# Altium PCB main.PcbDoc (part 2 of 3)
Units mil, origin at the board's own origin, x right, y up, seen from the top; angles counter-clockwise.
Board outline 4925 x 4925 mil, 2 copper layers (Top Layer, Bottom Layer); 278 components, 209 nets, 834 pads, 219 vias.
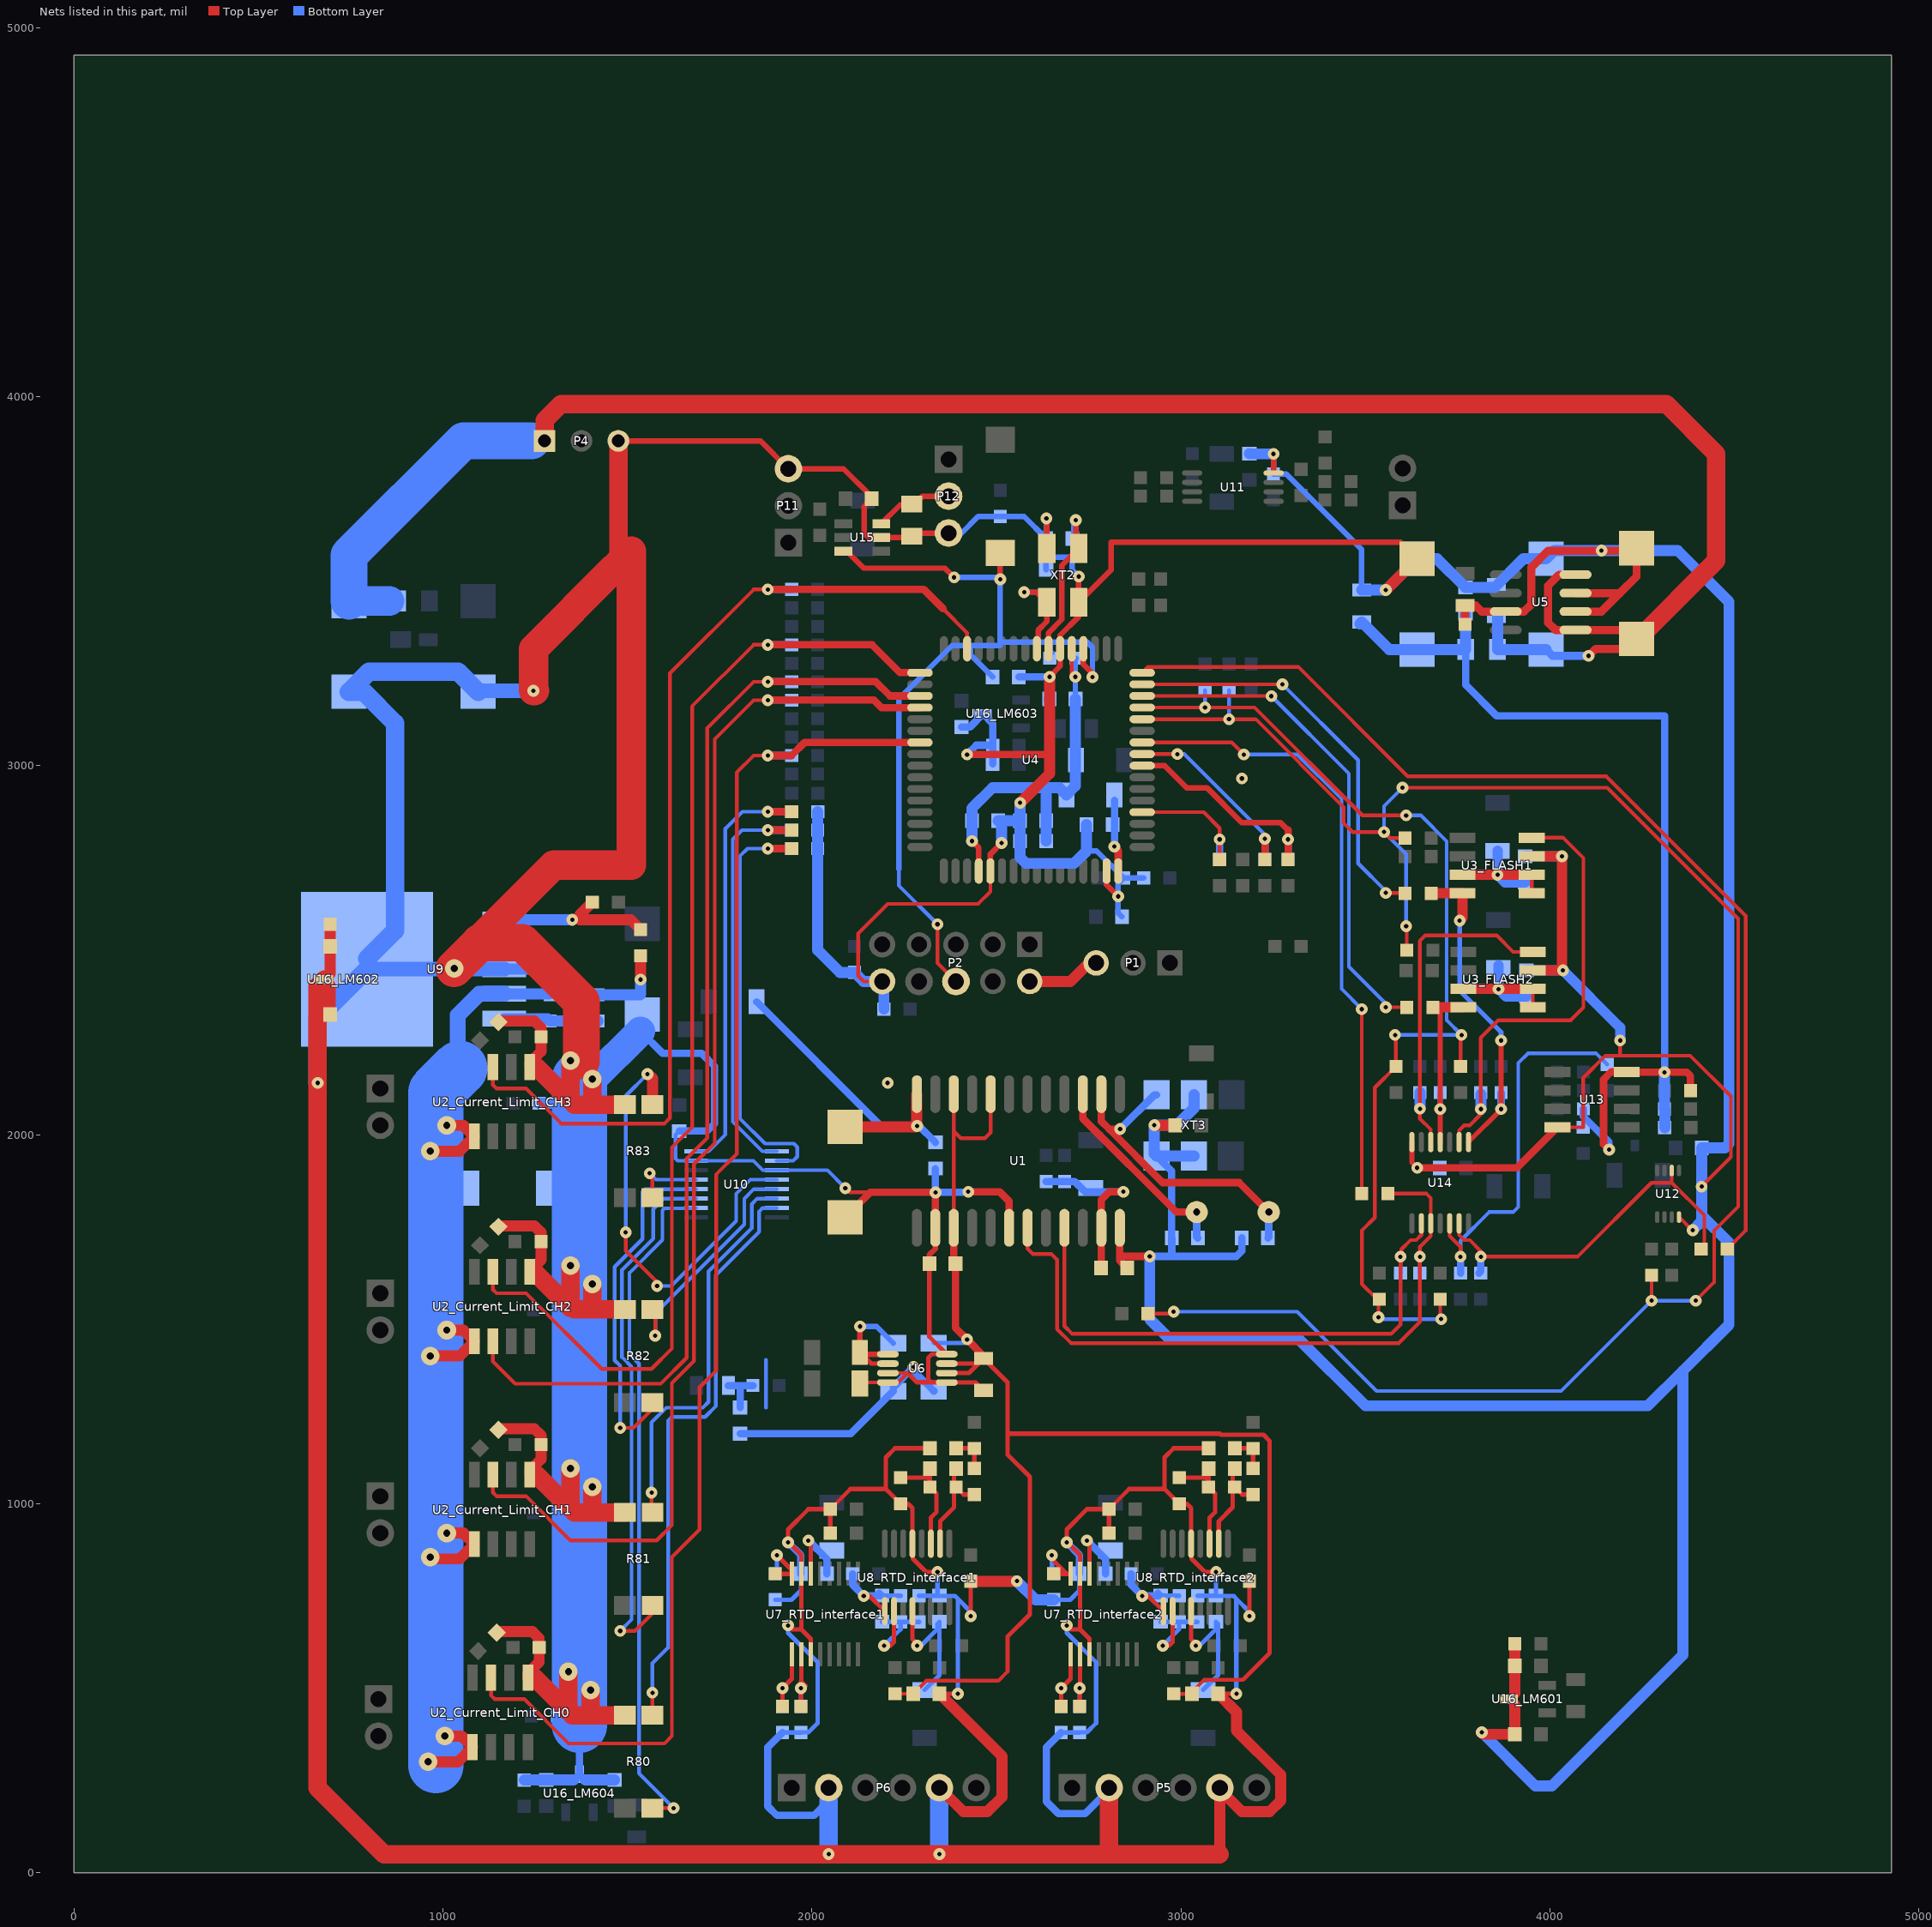
[diagram p2: the nets of this part, all layers, seen from the top]

## Via types
v1: diameter 32, hole 11.81, Top Layer to Bottom Layer, 202 vias
v2: diameter 50, hole 19.68, Top Layer to Bottom Layer, 17 vias

## Nets (pads, with @x,y where several pads share a name; then routed paths per layer and width w, separated by ;. In a path a pad name is that pad's centre, name@x,y a point inside that pad or via, vN(x,y) a via of type N, cw(c..) or ccw(c..) an arc to the next point about the centre after c; other vN are vias at no path point)
2.5V-REF_RTD_interface1: C3.2 C26.2 C30_RTD_interface1.1 C30_RTD_interface2.1 R47.2 R56_RTD_interface1.2 R56_RTD_interface2.2 U1.8 U1.10 U1.15 U6.6 U6.7 | length 4093.5
  Top Layer w10: R56_RTD_interface1.2@2225,484.57 2225.44,485 C30_RTD_interface1.1@2274.57,485 2309.57,520 2505,520 2530,545 ; U1.15@2383.98,1747.36 2383.39,1747.96 2383.98,1748.55 2383.98,2009.41 ; U1.10@2383.98,2109.57 2383.98,2009.41 ; U1.8@2483.98,2109.57 2483.98,2005.59 2468.39,1990 2403.39,1990 2383.98,2009.41 ; R56_RTD_interface2.2@2980,484.57 C30_RTD_interface2.1@3029.57,484.57 ; C30_RTD_interface2.1@3029.57,485 3029.57,489.57 3062.28,522.28 3167.44,522.28 3170,524.84
  Top Layer w12: U6.6@2365,1353.82 2425.51,1353.82 2451.1,1379.41 U6.7@2365,1379.41 ; R47.2@2465,1393.31 2530,1328.31 2530,1195 ; 2530,545 2530,640 2590,700 2590,1072.48 2530,1132.48 2530,1195 ; 3170,524.84 3240,594.84 3240,1170 3223.28,1186.72 3108.28,1186.72 3105.28,1189.72 2535.28,1189.72 2530,1195
  Top Layer w20: C3.2@2383.98,1658.9 U1.15@2383.98,1747.36 ; C3.2@2388.82,1650 2388.82,1476.18 v1(2420,1445) 2465,1400 R47.2@2465,1393.31
  Bottom Layer w12: C26.2@2330,1434.96 2409.96,1434.96 v1(2420,1445)
3V3-ADC: C7.2 R44.2 R121.1 R122.1 U1.23 | length 474.4
  Top Layer w20: C7.2@2783.55,1638.46 2783.55,1823.55 2805,1845 v1(2843.37,1845)
  Bottom Layer w20: R121.1@2634.41,1873.03 R122.1@2684.41,1873.03 2712.01,1873.03 2740.04,1845 v1(2843.37,1845)
3V3-AT: C11.2 C12.2 C13.2 C14.2 R31.2 R46.2 R125.2 U4.21 U4.52 | length 1057
  Top Layer w10: U4.21@2703.77,3316.61 2703.77,3245.19 v1@2713.53,3235.43
  Top Layer w15: v1(2433.53,2795.43) 2451.8,2777.16 U4.52@2451.8,2714.25
  Bottom Layer w15: v1@2433.1,2795.86 v1(2433.53,2795.43) ; C11.2@2713.53,3180.86 v1(2713.53,3240.43) 2713.53,3289.11 R31.2@2715.43,3291.02
  Bottom Layer w30: v1@2433.1,2795.86 C12.2@2433.1,2850.43 2433.1,2884.13 2488.97,2940 2669.87,2940 R125.2@2689.44,2920.43 2713.53,2944.52 2713.53,3125 ; C13.2@2634.83,2795.43 C14.2@2634.83,2850.43 2634.83,2920 ; C11.2@2713.53,3180.86 2713.53,3125 ; 2713.97,3124.57 2713.53,3125
3V3-AVCC: C46.2 R125.1 U4.64 | length 195.4
  Top Layer w20: v1(2819.4,2780.43) 2829.75,2770.08 U4.64@2829.75,2714.25
  Bottom Layer w20: v1(2819.4,2780.43) R125.1@2819.4,2905.39
5V: C16.1 C18.1 C21.1 L1.1 L2.1 P4.1 R35.2 U5.5 U5.8 | length 5635.9
  Top Layer w22: U5.8@4069.05,3517.4 4024.57,3517.4 3994.57,3487.4 3994.57,3387.4 4014.57,3367.4 U5.5@4069.05,3367.4 C21.1@4187.52,3367.4 ; v1(4104.57,3297.4) 4123.42,3316.26 4207.4,3316.26 C21.1@4234.57,3343.42
  Top Layer w50: P4.1@1275,3880 1275,3935 1320,3980 4315,3980 4450,3845 4450,3555 4238.42,3343.42 C21.1@4234.57,3343.42
  Bottom Layer w22: C18.1@3989.57,3314.57 4006.73,3297.4 v1(4104.57,3297.4)
  Bottom Layer w30: R35.2@3857.87,3404.09 L2.1@3857.87,3314.57 C18.1@3989.57,3314.57
  Bottom Layer w80: C16.1@745,3445.67 L1.1@855,3445.67
  Bottom Layer w100: C16.1@745,3445.67 745,3570 1055,3880 1240,3880
5V-ADC: C5.1 C6.2 R43.2 U1.12 | length 923.6
  Top Layer w30: C5.1@2089.41,2021.3 2281.38,2021.3 2283.98,2023.9 U1.12@2283.98,2109.57
  Bottom Layer w20: R43.2@1849.96,2360 2186.5,2023.46 v1(2284.41,2023.46) 2289.85,2023.46 C6.2@2334.41,1978.9
5V-DIG: C19.1 C20.2 L2.2 R34.2 R88.2 R89.2 R90.2 R91.2 R92.2 U13.8 | length 2826.2
  Top Layer w20: v1(4160,1959.57) 4145,1974.57 4145,2149.57 4165,2169.57 U13.8@4208.19,2169.57 4208.78,2168.98 v1(4310.28,2168.98) 4370.28,2168.98 4380.71,2158.54 R91.2@4380.71,2118.98
  Bottom Layer w20: L2.2@3771.26,3314.57 3771.26,3218.74 3855.28,3134.72 4310.28,3134.72 v1(4310.28,2168.98) ; R92.2@4090.43,2069.57 4090.43,2049.14 4160,1979.57 v1(4160,1959.57)
  Bottom Layer w30: R34.2@3484.57,3384.09 R34.2@3489.57,3389.09 3564.09,3314.57 C19.1@3639.57,3314.57 L2.2@3771.26,3314.57 C20.2@3771.26,3411.97 ; v1(4310.28,2168.98) 4309.84,2168.54 R89.2@4309.84,2068.98 4310.9,2067.92 R88.2@4310.9,2018.97
A0: R67.1 R70.1 U10.1 | length 1152
  Top Layer w20: v1(1879.99,2825) R67.1@1944.56,2825
  Bottom Layer w10: v1(1879.99,2825) 1810,2825 1785,2800 1785,2035 1865.43,1954.57 U10.1@1904.25,1954.57
  Bottom Layer w20: v1(1879.99,2825) R70.1@1944.56,2825
A0_RTD_interface1: R58_RTD_interface1.1 R64_RTD_interface1.1 U7_RTD_interface1.1 | length 201.2
  Top Layer w12: R58_RTD_interface1.1@1920,450.43 1920.39,450.84 1920,451.23 v1(1920,500) 1945.39,525.4 U7_RTD_interface1.1@1945.39,591.18
  Bottom Layer w12: R64_RTD_interface1.1@1920,450.43 v1(1920,500)
A0_RTD_interface2: R58_RTD_interface2.1 R64_RTD_interface2.1 U7_RTD_interface2.1 | length 201.2
  Top Layer w12: R58_RTD_interface2.1@2674.99,450.44 2675.39,450.84 2675,451.23 v1(2675,500) 2700.39,525.4 U7_RTD_interface2.1@2700.39,591.18
  Bottom Layer w12: R64_RTD_interface2.1@2675,450.44 v1(2675,500)
A1: R68.1 R71.1 U10.16 | length 1190.2
  Top Layer w20: v1(1880,2875) R68.1@1944.56,2875
  Bottom Layer w10: U10.16@1685.75,1954.57 1719.57,1954.57 1765,2000 1765,2828.93 1811.07,2875 v1(1880,2875)
  Bottom Layer w20: v1(1880,2875) R71.1@1944.56,2875
A1_RTD_interface1: R59_RTD_interface1.1 R65_RTD_interface1.1 U7_RTD_interface1.16 | length 168.5
  Top Layer w12: R59_RTD_interface1.1@1900,810.43 1900.75,809.69 U7_RTD_interface1.16@1945.39,809.69 1945.39,819.61 v1(1905,860)
  Bottom Layer w12: R65_RTD_interface1.1@1900,810.43 1895,815.44 1905,825.44 v1(1905,860)
A1_RTD_interface2: R59_RTD_interface2.1 R65_RTD_interface2.1 U7_RTD_interface2.16 | length 164.4
  Top Layer w12: v1(2650,860) 2650,850 2690.31,809.69 ; R59_RTD_interface2.1@2655,810.43 2655.75,809.69 2690.31,809.69 ; U7_RTD_interface2.16@2700.39,809.69 2690.31,809.69
  Bottom Layer w12: v1(2650,860) 2650,815.44 R65_RTD_interface2.1@2655,810.44
ADC_RST: R15.1 R19.1 U4.9 | length 529.1
  Top Layer w10: U4.9@2894.71,3031.18 v1(2990,3031.18)
  Top Layer w20: R19.1@3227.3,2741.49 v1@3227.3,2791.05
  Bottom Layer w10: v1(2990,3031.18) 3008.82,3031.18 v1@3227.3,2812.7
  Bottom Layer w20: R15.1@3227.29,2745.43 v1(3227.29,2801.87)
AN: R80.2 U10.7 | length 1589.5
  Top Layer w10: R80.2@1567.4,426.14 v1(1567.4,487.6)
  Bottom Layer w10: v1(1567.4,487.6) 1567.4,567.4 1610,610 1610,1225 1620,1235 1710,1235 1739.41,1264.41 1739.41,1619.41 1856.77,1736.77 1856.77,1791.77 1866.02,1801.02 U10.7@1904.25,1801.02
AP: R80.3 U10.10 | length 1857.2
  Top Layer w10: R80.3@1568.23,175 v1(1625,175)
  Bottom Layer w10: v1(1625,175) 1531,269 1531,1379 1505,1405 1505,1625 1594.69,1714.69 1594.69,1795 1599.69,1800 1684.72,1800 U10.10@1685.75,1801.02
AT_NRST: C10.2 P2.6 R31.1 S1.2 U4.20 U15.6 | length 2443.2
  Top Layer w10: v1(2340,2570) 2340,2465 P2.6@2390,2415
  Top Layer w15: U15.6@2084.79,3580.88 2094.12,3580.88 2140,3535 2360,3535 v1(2385,3510) ; v1(2510,3505) S1.2@2510,3576.46 ; U4.20@2735.26,3316.61 2735.26,3274.74 2760,3250 v1(2760,3240)
  Bottom Layer w10: 2235,2720 2235,2675 v1(2340,2570)
  Bottom Layer w15: 2235,2720 2235,3180.37 2379.63,3325 2430,3325 ; v1(2385,3510) 2505,3510 v1(2510,3505) 2510,3335 2640.78,3335 2745,3335 2760,3320 v1(2760,3240) ; C10.2@2489.57,3240 2430,3299.57 2430,3325 ; 2510,3325 2430,3325 ; R31.1@2644.57,3291.02 R31.1@2644.57,3300 ; 2644.57,3331.21 R31.1@2644.57,3300 ; R31.1@2650,3305.43 R31.1@2644.57,3300
BN: R81.2 U10.6 | length 1076.9
  Top Layer w10: R81.2@1565,978.98 v1(1565,1030)
  Bottom Layer w10: v1(1565,1030) 1565,1220 1605,1260 1703.82,1260 1719.41,1275.59 1719.41,1629.41 1836.77,1746.77 1836.77,1811.77 1851.61,1826.61 U10.6@1904.25,1826.61
BP: R81.3 U10.11 | length 1458.8
  Top Layer w10: v1(1480,655) 1520,655 1567.83,702.83 R81.3@1567.83,724.17
  Bottom Layer w10: v1(1480,655) 1511,686 1511,1370.72 1485,1396.72 1485,1633.28 1569.8,1718.09 1569.8,1798.4 1598.02,1826.61 U10.11@1685.75,1826.61
BUFFER: R13.1 R21.1 U4.4 | length 367.3
  Top Layer w10: U4.4@2894.71,2873.7 3061.3,2873.7 3104.57,2830.43 v1(3104.57,2800) R21.1@3104.57,2745.44
  Bottom Layer w20: R13.1@3104.58,2745.44 v1(3104.57,2800)
CH2_PGOOD: R132.1 U2_Current_Limit_CH2.2 U4.35 | length 3072.7
  Top Layer w10: U2_Current_Limit_CH2.2@1135,1440.16 1135,1385.16 1195.16,1325 1590,1325 1660,1395 1660,1935 1716.07,1991.07 1716.07,3101.64 1841.7,3227.27 v1(1879.99,3227.27)
  Top Layer w20: v1(1879.99,3227.27) 2172.73,3227.27 2211.34,3188.66 U4.35@2292.35,3188.66
  Bottom Layer w20: v1(1879.99,3227.27) R132.1@1944.55,3227.27
CN: R82.2 U10.5 | length 647.9
  Top Layer w10: R82.2@1570,1528.74 R82.2@1567.4,1526.14 1575,1518.54 v1(1575,1455)
  Bottom Layer w10: v1(1575,1455) 1575,1515 1816.53,1756.53 1816.53,1826.53 1842.2,1852.2 U10.5@1904.25,1852.2
CP: R82.3 U10.12 | length 951
  Top Layer w10: v1(1480,1205) 1516,1205 1564.69,1253.69 R82.3@1564.69,1274.17
  Bottom Layer w10: v1(1480,1205) 1480,1373.43 1465,1388.43 1465,1641.57 1540.59,1717.16 1540.59,1845 1547.8,1852.2 U10.12@1685.75,1852.2
CS_ADC: R7.2 U4.10 | length 1696.5
  Top Layer w10: U4.10@2894.71,3062.67 3137.33,3062.67 v1(3170,3030) ; R7.2@3489.57,1840 3489.57,2339.57 v1(3490,2340)
  Bottom Layer w10: v1(3170,3030) 3315,3030 3435,2910 3435,2395 v1(3490,2340)
CS_ADC_I: R7.1 R29.1 U1.19 U14.10 | length 1873.7
  Top Layer w10: U1.19@2583.98,1747.36 2583.98,1691.02 2598.5,1676.5 2648.5,1676.5 2663.98,1661.02 2663.98,1472.74 2701.72,1435 3590,1435 3647.37,1492.37 v1(3647.37,1669.21) 3647.37,1695.92 3676.77,1725.33 U14.10@3676.77,1759.41 3676.77,1828.23 3665,1840 R7.1@3560.43,1840
  Bottom Layer w10: R29.1@3647.37,1624.64 v1(3647.37,1669.21)
CS_FLASH_A: R9.2 U4.14 | length 1379.2
  Top Layer w10: U4.14@2894.71,3188.66 3244.5,3188.66 v1(3245,3188.16) ; v1(3555,2345) 3611.34,2345 R9.2@3611.93,2344.41
  Bottom Layer w10: v1(3245,3188.16) 3455,2978.16 3455,2455 3555,2355 v1(3555,2345)
CS_FLASH_A_I: R9.1 R27.1 U3_FLASH2.4 U14.4 | length 487.8
  Top Layer w13: R9.1@3691.61,2345 3702.36,2334.25 v1(3702.36,2069.21) U14.4@3702.36,1979.88
  Top Layer w28: R9.1@3691.61,2345 U3_FLASH2.4@3765.31,2345
  Bottom Layer w13: v1(3702.36,2069.21) R27.1@3702.37,2113.77
CS_FLASH_B: R10.2 U4.15 | length 1114.1
  Top Layer w10: U4.15@2894.71,3220.15 3274.85,3220.15 v1(3275,3220) ; v1(3555,2655) 3606.06,2655 R10.2@3607.24,2653.82
  Bottom Layer w10: v1(3275,3220) 3480,3015 3480,2735 3555,2660 v1(3555,2655)
CS_FLASH_B_I: R10.1 R26.1 U3_FLASH1.4 U14.1 | length 879.5
  Top Layer w13: U14.1@3779.13,1979.88 v1@3867.91,2068.66 ; v1(3867.37,2069.21) v1(3867.37,2255)
  Top Layer w28: R10.1@3688.11,2653.82 3688.7,2654.41 U3_FLASH1.4@3762.4,2654.41 3762.4,2587.4 v1(3755,2580)
  Bottom Layer w13: v1(3755,2580) 3755,2390 3867.37,2277.63 v1(3867.37,2255)
  Bottom Layer w20: v1(3867.37,2069.21) R26.1@3867.37,2113.77
CS_FRAM: R8.2 U4.16 | length 2844.9
  Top Layer w10: U4.16@2894.71,3251.65 2910.54,3267.47 3317.53,3267.47 3614,2971 4152.28,2971 4530,2593.28 4530,1739.57 R8.2@4480.43,1690
CS_FRAM_I: R8.1 R28.1 U12.6 U14.13 | length 1021.1
  Top Layer w10: U14.13@3753.54,1759.41 3753.54,1728.02 3767.36,1714.21 3782.36,1714.21 3812.37,1684.2 v1(3812.37,1669.21) 4074.21,1669.21 4274.41,1869.41 4329.84,1869.41 ; U12.6@4329.84,1902.56 4329.84,1869.41 ; R8.1@4415,1689.57 4417.97,1692.54 4417.97,1781.28 4329.84,1869.41
  Bottom Layer w20: R28.1@3807.36,1624.65 3809.86,1627.15 3812.37,1629.66 v1(3812.37,1669.21)
DN: R83.2 U10.4 | length 1238.4
  Top Layer w10: v1(1495,1735) 1495,1685 1580,1600 v1(1580,1590) ; R83.2@1580,2093.58 R83.2@1575,2088.58 ; R83.2@1575,2085 1579.02,2080.98 1575,2080.98 R83.2@1575,2085 ; R83.2@1575,2085 R83.2@1575,2088.58 ; R83.2@1575,2085 1573.21,2086.79 R83.2@1575,2088.58
  Top Layer w30: v1@1555,2165 1567.4,2152.6 R83.2@1567.4,2080.98
  Bottom Layer w10: v1(1495,1735) 1495,2105 v1(1553.8,2163.8) ; v1(1580,1590) 1618.43,1590 1794.45,1766.03 1794.45,1839.45 1832.79,1877.79 U10.4@1904.25,1877.79
DP: R83.3 U10.13 | length 201.9
  Top Layer w10: v1(1560,1895) 1567.4,1887.6 R83.3@1567.4,1829.02
  Bottom Layer w10: v1(1560,1895) 1577.21,1877.79 U10.13@1685.75,1877.79
DRDY: R16.1 R17.1 U4.8 | length 601.8
  Top Layer w15: U4.8@2894.71,2999.68 2955.32,2999.68 3015,2940 3070,2940 3165,2845 3270,2845 3290,2825
  Top Layer w20: R17.1@3290,2745.43 v1(3290,2800) 3290,2825
  Bottom Layer w20: R16.1@3290,2745.44 v1(3290,2800)
EN: R69.1 R72.1 U10.2 | length 1197.5
  Top Layer w20: v1(1879.99,2775) R69.1@1944.55,2775
  Bottom Layer w10: v1(1879.99,2775) 1825,2775 1805,2755 1805,2043.28 1872.81,1975.47 1950.6,1975.47 1960,1966.07 1960,1940 1948.98,1928.98 U10.2@1904.25,1928.98
  Bottom Layer w20: v1(1879.99,2775) R72.1@1944.55,2775.01
EN_RTD_interface1: R60_RTD_interface1.1 R66_RTD_interface1.1 U7_RTD_interface1.2 | length 215.6
  Top Layer w12: R60_RTD_interface1.1@1970,458.5 R60_RTD_interface1.1@1970,450.43 v1(1970,500) 1970,518.5 ; U7_RTD_interface1.2@1970.98,591.18 1970.98,517.51 v1@1982.5,505.99
  Bottom Layer w12: R66_RTD_interface1.1@1970,450.43 v1(1970,500)
EN_RTD_interface2: R60_RTD_interface2.1 R66_RTD_interface2.1 U7_RTD_interface2.2 | length 198.4
  Top Layer w12: R60_RTD_interface2.1@2725,458.5 R60_RTD_interface2.1@2725,450.44 v1(2725,500) ; v1@2725.98,500 U7_RTD_interface2.2@2725.98,591.18
  Bottom Layer w12: R66_RTD_interface2.1@2725,450.44 v1(2725,500)
FLAGB_Current_Limit_CH0: R4.1 U2_Current_Limit_CH0.7 U4.39 | length 3879.1
  Top Layer w10: U2_Current_Limit_CH0.7@1130,528.35 1130,480.16 1140,470.16 1220,470.16 1340,350.16 1600,350.16 1620,370.16 1620,855 1695,930 1695,1315 1740,1360 1740,1891.8 1796.07,1947.87 1796.07,2981.64 1841.71,3027.28 v1(1879.99,3027.28)
  Top Layer w20: v1(1879.99,3027.28) 1944.56,3027.28 1979.96,3062.67 U4.39@2292.35,3062.67
  Bottom Layer w20: v1(1879.99,3027.28) R4.1@1944.56,3027.28
FLAGB_Current_Limit_CH1: R128.1 U2_Current_Limit_CH1.7 U4.36 | length 3455.3
  Top Layer w10: U2_Current_Limit_CH1.7@1135,1078.35 1135,1030.16 1145,1020.16 1225,1020.16 1345,900.16 1578.59,900.16 1620,941.57 1620,1326.72 1680,1386.72 1680,1920.51 1736.07,1976.58 1736.07,3071.64 1841.7,3177.27 v1(1879.99,3177.27)
  Top Layer w20: v1(1879.99,3177.27) 2167.73,3177.27 2187.84,3157.16 U4.36@2292.35,3157.16
  Bottom Layer w20: v1(1879.99,3177.27) R128.1@1944.55,3177.27
FLAGB_Current_Limit_CH2: R131.1 U2_Current_Limit_CH2.7 U4.33 | length 3190.7
  Top Layer w10: U2_Current_Limit_CH2.7@1135,1628.35 1135,1580.16 1145,1570.16 1225,1570.16 1430.16,1365 1565,1365 1620,1420 1620,1965 1675,2020 1675,3160.57 1841.7,3327.27 v1(1879.99,3327.27)
  Top Layer w20: v1(1879.99,3327.27) 2162.73,3327.27 2238.35,3251.65 U4.33@2292.35,3251.65
  Bottom Layer w20: v1(1879.99,3327.27) R131.1@1944.55,3327.27
FLAGB_Current_Limit_CH3: R134.1 U2_Current_Limit_CH3.7 U4.30 | length 2838.9
  Top Layer w10: U2_Current_Limit_CH3.7@1135,2183.19 1135,2135 1145,2125 1225,2125 1320,2030 1600,2030 1615,2045 1615,3250.57 1841.7,3477.27 v1(1879.99,3477.27) ; 2354.83,3425 2420.3,3359.52 U4.30@2420.3,3316.61
  Top Layer w20: v1(1879.99,3477.27) 2302.55,3477.27 2354.83,3425
  Bottom Layer w20: v1(1879.99,3477.27) R134.1@1944.55,3477.27
GROUND4: C1.1 C2.1 C3.1 C5.2 C6.1 C7.1 C8.1 C9.1 C10.1 C11.1 C12.1 C13.1 C14.1 C15.1 C16.2 C17.2 C18.2 C19.2 C20.1 C21.2 C22.2 C23_FLASH1.1 C23_FLASH2.1 C24.1 C25.1 C26.1 C29_RTD_interface1.1 C29_RTD_interface2.1 C30_RTD_interface1.2 C30_RTD_interface2.2 C31.2 C32.2 C33.1 C34.1 C35.1 C36_RTD_interface1.1 C36_RTD_interface2.1 C37_RTD_interface1.1 C37_RTD_interface2.1 C38.1 C39.1 C40.1 C41.2 C42.1 C43_LM601.1 C43_LM602.1 C43_LM603.1 C43_LM604.1 C44_LM601.1 C44_LM602.1 C44_LM603.1 C44_LM604.1 C45.1 C46.1 C47.2 P1.3 P2.2 P2.10 P4.3 P5.2 P5.5 P6.2 P6.5 P11.3 P12.3 R1_Current_Limit_CH0.2 R1_Current_Limit_CH1.2 R1_Current_Limit_CH2.2 R1_Current_Limit_CH3.2 R2_Current_Limit_CH0.1 R2_Current_Limit_CH1.1 R2_Current_Limit_CH2.1 R2_Current_Limit_CH3.1 R3_Current_Limit_CH0.2 R3_Current_Limit_CH1.2 R3_Current_Limit_CH2.2 R3_Current_Limit_CH3.2 R30.1 R32.2 R33.1 R34.1 R35.1 R36.1 R37.1 R47.1 R48_RTD_interface1.2 R48_RTD_interface2.2 R51_RTD_interface1.1 R51_RTD_interface2.1 R61_RTD_interface1.2 R61_RTD_interface2.2 R62_RTD_interface1.2 R62_RTD_interface2.2 R63_RTD_interface1.2 R63_RTD_interface2.2 R64_RTD_interface1.2 R64_RTD_interface2.2 R65_RTD_interface1.2 R65_RTD_interface2.2 R66_RTD_interface1.2 R66_RTD_interface2.2 R70.2 R71.2 R72.2 R74.2 R77.2 R80.1 R81.1 R82.1 R83.1 R87.1 R124_LM601.1 R124_LM602.1 R124_LM603.1 R124_LM604.1 R126.1 R137.1 R138.1 U1.14 U1.18 U1.24 U2_Current_Limit_CH0.5 U2_Current_Limit_CH1.5 U2_Current_Limit_CH2.5 U2_Current_Limit_CH3.5 U3_FLASH1.7 U3_FLASH2.7 U4.22 U4.53 U4.63 U5.3 U5.6 U5.7 U6.3 U6.4 U6.5 U6.8 U7_RTD_interface1.3 U7_RTD_interface1.15 U7_RTD_interface2.3 U7_RTD_interface2.15 U8_RTD_interface1.13 U8_RTD_interface2.13 U9.3 U9.6 U10.3 U10.15 U11.4 U12.4 U13.4 U14.7 U15.2 U16_LM601.3 U16_LM602.3 U16_LM603.3 U16_LM604.3 XT2.3 XT2.4 XT3.2 XT3.3 XT3.5 | length 46422.4
  Top Layer w10: v1(2090,1855) 2101.54,1843.46 2157.25,1843.46 ; C25.1@2129.96,1325 2133.19,1328.23 U6.4@2205.55,1328.23 2233.23,1328.23 2258.82,1353.82 ; P2.10@2190,2415 2140,2415 2125,2430 2125,2545 2205,2625 2450,2625 2483.3,2658.3 U4.53@2483.3,2714.25 ; U6.3@2205.55,1353.82 2258.82,1353.82 ; v1(2275,1370) 2258.82,1353.82 ; U13.4@4020,2019.57 4089.57,2019.57 4090,2020 4090,2153.98 4150,2213.98 4190,2213.98 ; v1(4190,2255) 4190,2213.98 ; U12.4@4350.55,1775.55 4385,1741.1 v1(4386.97,1741.1) ; v1@4410.35,1859.33 4490,1938.98 4490,2103.98 4380,2213.98 4190,2213.98
  Top Layer w12: v1(1935,670) 1945.98,659.02 1970.98,659.02 ; U7_RTD_interface1.3@1996.57,591.18 1996.57,633.43 1970.98,659.02 ; R61_RTD_interface1.2@2049.57,920 R62_RTD_interface1.2@2049.57,985 ; 2258.82,1353.82 2283.68,1328.96 2322.59,1328.96 ; C3.1@2317.95,1650 2317.95,1452.05 U6.8@2365,1405 2325,1405 2315,1395 2315,1336.55 2322.59,1328.96 ; C29_RTD_interface1.1@2319.57,1150 2225,1150 2200,1125 2200,1039.57 ; v1(2340,815) 2309.37,815 2273.23,851.13 2273.23,890.41 U8_RTD_interface1.13@2272.11,891.53 2272.11,987.89 2260.44,999.57 R51_RTD_interface1.1@2240,999.57 2200,1039.57 ; C30_RTD_interface1.2@2345.44,485 v1(2395,485) ; v1(2430,695) R63_RTD_interface1.2@2430,789.57 ; R47.1@2465,1306.69 2443.47,1328.23 U6.5@2365,1328.23 2364.27,1328.96 2322.59,1328.96 ; v1(2690,670) 2700.98,659.02 2725.98,659.02 ; U7_RTD_interface2.3@2751.57,591.18 2751.57,633.43 2725.98,659.02 ; R61_RTD_interface2.2@2804.57,920 R62_RTD_interface2.2@2804.57,985 ; C29_RTD_interface2.1@3074.57,1150 2980,1150 2955,1125 2955,1039.57 ; v1(3095,815) 3064.37,815 3028.23,851.13 3028.23,890.41 U8_RTD_interface2.13@3027.11,891.53 3027.11,987.89 3015.44,999.57 R51_RTD_interface2.1@2995,999.57 2955,1039.57 ; C30_RTD_interface2.2@3100.44,485 v1(3150,485) ; v1(3185,695) R63_RTD_interface2.2@3185,789.57 ; 1970.98,659.02 U7_RTD_interface1.15@1970.98,809.69 1970.98,860.98 1936.97,895 v1(1935,895) 1935,930 1990,985 R62_RTD_interface1.2@2049.57,985 ; R62_RTD_interface1.2@2049.57,985 2104.14,1039.57 2200,1039.57 ; 2725.98,659.02 U7_RTD_interface2.15@2725.98,809.69 2725.98,860.98 2691.97,895 v1(2690,895) 2690,930 2745,985 R62_RTD_interface2.2@2804.57,985 ; R62_RTD_interface2.2@2804.57,985 2859.14,1039.57 2955,1039.57
  Top Layer w13: U14.7@3625.59,1979.88 3625.59,1924.41 v1(3640,1910)
  Top Layer w15: P4.3@1475,3880 1859.91,3880 P11.3@1935.77,3804.14 2085.5,3804.14 2161.8,3727.85 C42.1@2161.8,3723.28 2141.37,3702.85 2141.37,3628.28 2151.37,3618.28 U15.2@2187.94,3618.28 2274.67,3618.28 2286.39,3630 2349.65,3630 P12.3@2366.37,3613.28 ; C3.1@2317.95,1650 2317.95,1674.57 2333.98,1690.59 U1.14@2333.98,1747.36 ; U4.53@2483.3,2714.25 2483.3,2760.19 v1(2513.53,2790.43) ; v1(2635,3670) 2636.09,3668.91 XT2.3@2636.09,3588.26 ; v1(2643.53,3240.43) 2672.27,3269.17 U4.22@2672.27,3316.61 2672.27,3353.3 2722.71,3403.74 XT2.4@2722.71,3442.59 ; v1(2722.71,3512.29) XT2.4@2722.71,3442.59 ; U4.63@2798.26,2714.25 2798.26,2676.57 v1(2829.4,2645.43) ; U11.4@3250.67,3792.95 v1(3250.67,3844.76) ; C22.2@3639.57,3560.23 3594.8,3605 2810,3605 2810,3529.89 XT2.4@2722.71,3442.59
  Top Layer w20: 694.13,2404.29 U16_LM602.3@678.42,2420 694.13,2435.71 ; C5.2@2089.41,1775.63 2157.25,1843.46 v1(2334.41,1843.46) 2334.41,1747.8 U1.14@2333.98,1747.36 ; v1(2420,3030) 2643.53,3030 ; v1(2423.39,1845) 2508.39,1845 2533.98,1819.41 U1.18@2533.98,1747.36 ; U1.24@2833.98,1747.36 2833.98,1670 ; C7.1@2854.41,1638.46 2833.98,1658.9 2833.98,1670 ; v1(2915,1670) 2833.98,1670 ; v1(3640,1910) 3910.43,1910 U13.4@4020,2019.57 ; 3904.57,454.29 U16_LM601.3@3888.86,470 3904.57,485.71
  Top Layer w22: R37.1@3769.57,3382.83 R36.1@3769.57,3434.09 3797.87,3434.09 3814.57,3417.4 U5.3@3880.08,3417.4 3929.57,3417.4 3949.57,3437.4 3949.57,3537.4 3994.57,3582.4 v1(4139.57,3582.4) 4227.87,3582.4 C21.2@4234.57,3589.09 4234.57,3512.4 4189.57,3467.4 ; U5.6@4069.05,3417.4 4139.57,3417.4 4189.57,3467.4 ; U5.7@4069.05,3467.4 4189.57,3467.4
  Top Layer w28: U3_FLASH1.7@3950.59,2754.41 v1(4032.09,2754.41) 4032.09,2447.91 v1(4035,2445) U3_FLASH2.7@3953.5,2445
  Top Layer w30: C43_LM602.1@694.13,2325 694.13,2404.29 ; 694.13,2435.71 C44_LM602.1@694.13,2510 R124_LM602.1@694.13,2570 ; R1_Current_Limit_CH0.2@1145.05,650.21 1145.06,652.88 1242.28,652.88 1260.43,634.73 1260.43,570.59 1230,540.16 U2_Current_Limit_CH0.5@1230,528.35 ; R1_Current_Limit_CH1.2@1150.06,1200.21 1150.06,1202.88 1247.28,1202.88 1265.43,1184.73 R3_Current_Limit_CH1.2@1265.43,1160.16 1265.43,1120.59 1235,1090.16 U2_Current_Limit_CH1.5@1235,1078.35 ; R1_Current_Limit_CH2.2@1150.06,1750.21 1150.06,1752.88 1247.28,1752.88 1265.43,1734.73 R3_Current_Limit_CH2.2@1265.43,1710.16 1265.43,1660.43 U2_Current_Limit_CH2.5@1245,1640 ; R1_Current_Limit_CH3.2@1150.06,2307.72 1247.28,2307.72 1265.43,2289.57 R3_Current_Limit_CH3.2@1265.43,2265 1265.43,2225.43 1235,2195 U2_Current_Limit_CH3.5@1235,2183.19 ; v1(1535,2420) R74.2@1535,2474.57 ; P6.5@2345,230 2410,165 2475,165 2515,205 2515,315.44 C30_RTD_interface1.2@2345.44,485 ; R63_RTD_interface1.2@2430,789.57 2554.57,789.57 v1(2555,790) ; v1(2563.97,2898.97) 2643.53,2978.53 2643.53,3030 v1(2643.53,3240.43) ; P2.2@2590,2415 2700,2415 P1.3@2750,2465 ; v1(2927.68,2025.43) 2928.11,2025 C47.2@2984.61,2025 ; C30_RTD_interface2.2@3100.44,485 3150,435.44 3150,385 3270,265 3270,195 3240,165 3165,165 P5.5@3105,225 ; 3105,50 P5.5@3105,225 ; P5.5@3105,230 P5.5@3105,225 ; v1(3555.04,3475.71) C22.2@3639.57,3560.23 ; v1(3815,380) 3820,375 C43_LM601.1@3904.57,375 3904.57,454.29 ; 3904.57,485.71 C44_LM601.1@3904.57,560 R124_LM601.1@3904.57,620
  Top Layer w50: U16_LM602.3@678.42,2420 660,2401.58 v1(660,2140) 660,230 840,50 v1(2045,50) v1(2345,50) 2805,50 ; U2_Current_Limit_CH2.5@1247.5,1627.5 1345,1530 v2(1345,1645.16) ; 1248.19,528.35 1340,436.53 v2(1340,545.16) ; 1253.19,1078.35 1345,986.53 v2(1345,1095.16) ; 1253.19,2183.19 1345,2091.38 v2(1345,2200) ; 1350.39,426.14 R80.1@1487.6,426.14 ; 1355.39,976.14 R81.1@1492.6,976.14 ; 1355.39,1526.14 R82.1@1492.6,1526.14 ; 1355.39,2080.98 R83.1@1492.6,2080.98 ; 1400,431.14 v2(1400,495.16) ; 1405,981.14 v2(1405,1045.16) ; 1405,1531.14 v2(1405,1595.16) ; 1405,2085.98 v2(1405,2150) ; 1461.93,3533.07 1475,3546.14 P4.3@1475,3880 ; P5.2@2805,230 2805,50 ; 3105,50 2805,50
  Top Layer w80: 1100,2520 1100,2530 1300,2730 1510,2730 1510,3581.14 1475,3546.14 ; v1@1247.83,3202.83 v1(1245,3202.83) 1245,3316.14 1461.93,3533.07
  Top Layer w100: v2(1030,2450) 1100,2520 1215,2520 1375,2360 1375,2200
  Bottom Layer w10: C38.1@1640,2009.57 1630,1999.57 1630,1935 1636.02,1928.98 U10.15@1685.75,1928.98 1841.02,1928.98 1866.61,1903.39 U10.3@1904.25,1903.39 2041.61,1903.39 v1(2090,1855) ; 1875,1260 1875,1390 ; P2.2@2590,2405 P2.2@2590,2415
  Bottom Layer w12: R65_RTD_interface1.2@1900,739.57 1944.57,739.57 1969.57,764.57 C36_RTD_interface1.1@1969.57,810 ; R64_RTD_interface1.2@1920,379.57 R66_RTD_interface1.2@1970,379.57 1970.43,380 1990,380 2015,405 2015,570 1935,650 v1(1935,670) ; R48_RTD_interface1.2@2290,750.43 C37_RTD_interface1.1@2340,750.43 ; v1(2340,815) C37_RTD_interface1.1@2340,750.43 ; v1(2395,485) 2395,741.97 ; v1(2430,695) 2430,706.97 2395,741.97 ; R65_RTD_interface2.2@2655,739.57 2699.57,739.57 2724.57,764.57 C36_RTD_interface2.1@2724.57,810 ; R64_RTD_interface2.2@2675,379.57 R66_RTD_interface2.2@2725,379.57 2725.43,380 2745,380 2770,405 2770,570 2690,650 v1(2690,670) ; R48_RTD_interface2.2@3045.01,750.43 C37_RTD_interface2.1@3095,750.43 ; v1(3095,815) C37_RTD_interface2.1@3095,750.43 ; v1(3150,485) 3150,741.97 ; v1(3185,695) 3185,706.97 3150,741.97 ; C37_RTD_interface1.1@2340,750.43 2340.44,750 2386.97,750 2395,741.97 ; C37_RTD_interface2.1@3095,750.43 3095.44,750 3141.97,750 3150,741.97
  Bottom Layer w13: v1(3640,1910) 3701.14,1910 C41.2@3701.49,1909.65
  Bottom Layer w15: P12.3@2370,3630 2405.04,3630 2449.92,3674.88 R32.2@2510,3674.88 2574.59,3674.88 2634.4,3615.07 2634.4,3565 ; C12.1@2503.97,2850.43 C12.1@2513.53,2840.86 ; C8.1@2634.57,3615.23 2634.57,3669.57 v1(2635,3670) ; C9.1@2634.84,3530.43 C9.1@2634.4,3530.86 2634.4,3565 ; C11.1@2643.1,3180.43 2643.53,3180.86 v1(2643.53,3240.43) ; v1(2722.71,3512.29) 2704.57,3530.43 2704.57,3565 2634.4,3565 ; 2743.97,2768.97 2771.3,2768.97 R126.1@2844.84,2695.43 ; C45.1@2839.83,2590.43 2829.4,2600.86 v1(2829.4,2645.43) 2829.4,2679.99 R126.1@2844.84,2695.43 ; R30.1@2898.97,2695.43 R126.1@2844.84,2695.43 ; v1(3250.67,3844.76) 3250.43,3844.53 R87.1@3250.43,3790.43 3284.57,3790.43 3489.57,3585.43 R34.1@3489.57,3475.71
  Bottom Layer w20: 1354.29,250.87 U16_LM604.3@1370,266.58 ; 1370,400 U16_LM604.3@1370,266.58 ; 1385.71,250.87 U16_LM604.3@1370,266.58 ; C31.2@1535,2280 1595,2220 1701.07,2220 1736.07,2185 1736.07,2030 1715.64,2009.57 C38.1@1640,2009.57 ; C34.1@1805,1189.57 2104.53,1189.57 C24.1@2220,1305.04 ; R64_RTD_interface1.2@1920,379.57 1880,339.57 1880,180 1905,155 2005,155 2045,195 P6.2@2045,230 ; v1(1935,895) 1969.57,860.43 C36_RTD_interface1.1@1969.57,810 ; C24.1@2220,1315 v1(2275,1370) 2275,1360.04 C26.1@2330,1305.04 ; C6.1@2334.41,1908.03 v1(2334.41,1843.46) 2421.85,1843.46 v1(2423.39,1845) ; C43_LM603.1@2405,3104.57 2427.99,3104.57 U16_LM603.3@2463.42,3140 2489.57,3113.86 R124_LM603.1@2489.57,3055 ; v1(2420,3030) 2445,3055 R124_LM603.1@2489.57,3055 ; C44_LM603.1@2489.57,3005 R124_LM603.1@2489.57,3055 ; C10.1@2560.43,3240 2643.1,3240 v1(2643.53,3240.43) ; R64_RTD_interface2.2@2675,379.57 2635,339.57 2635,192.46 2667.46,160 2740,160 2800,220 P5.2@2800,230 ; v1(2690,895) 2724.57,860.43 C36_RTD_interface2.1@2724.57,810 ; v1(2915,1670) 2975,1670 ; XT3.3@2927.68,1948.11 XT3.3@2933.46,1942.32 2974.57,1901.22 C2.1@2974.57,1720 2975,1719.57 2975,1670 ; C1.1@3164.57,1720 3164.57,1684.57 3150,1670 2975,1670
  Bottom Layer w28: C23_FLASH1.1@3932.68,2754.25 4031.93,2754.25 v1(4032.09,2754.41) ; C23_FLASH2.1@3935.59,2444.84 4034.84,2444.84 v1(4035,2445) 4190,2290 v1(4190,2255)
  Bottom Layer w30: U9.3@1166.06,2448.31 1326.69,2448.31 1360,2415 C33.1@1360,2378.74 R77.2@1420,2378.74 1533.74,2378.74 1535,2380 v1(1535,2420) ; R124_LM604.1@1220,250.87 C44_LM604.1@1280,250.87 1354.29,250.87 ; R2_Current_Limit_CH3.1@1260.43,2085 1363.62,2085 ; 1385.71,250.87 C43_LM604.1@1465,250.87 ; R72.2@2015.42,2775.01 2015.42,2499.58 2075.43,2439.57 R137.1@2115,2439.57 2139.57,2415 P2.10@2190,2415 2194.57,2410.43 R138.1@2194.57,2340 ; R72.2@2015.42,2775.01 R71.2@2015.43,2875 ; C12.1@2503.97,2850.43 C14.1@2563.97,2850.43 ; v1(2513.53,2790.43) C12.1@2513.53,2840.86 ; v1(2555,790) 2605.43,739.57 R65_RTD_interface2.2@2655,739.57 ; v1(2563.97,2898.97) C14.1@2563.97,2850.43 ; C11.1@2642.67,3180 C11.1@2643.1,3180.43 ; C46.1@2743.97,2840.43 2743.97,2768.97 2710,2735 2579.84,2735 2563.97,2750.87 C13.1@2563.97,2795.43 C14.1@2563.97,2850.43 ; v1(2915,1670) 2915,1500 2965,1450 3315,1450 3500,1265 4265,1265 4360,1360 ; XT3.3@2927.68,1948.11 v1(2927.68,2025.43) 2988.11,2025.43 2988.54,2025 3035.04,2071.5 XT3.5@3035.04,2107.68 ; XT3.3@2933.46,1942.32 XT3.2@3035.04,1942.32 ; C39.1@3185.43,3845.43 3186.1,3844.76 v1(3250.67,3844.76) ; R34.1@3489.57,3475.71 v1(3555.04,3475.71) C19.2@3639.57,3560.23 3693.86,3560.23 C20.1@3771.26,3482.83 3850,3482.83 3927.4,3560.23 C18.2@3989.57,3560.23 4011.73,3582.4 v1(4139.57,3582.4) 4346.26,3582.4 4485,3443.66 4485,1975 4473.98,1963.98 C40.1@4410.71,1963.98 v1(4410.71,1858.98) 4410.71,1781.28 ; v1(3815,380) 3960,235 4005,235 4360,590 4360,1360 ; v1(4386.97,1741.1) 4410.71,1764.84 4410.71,1781.28 ; 4360,1360 4485,1485 4485,1706.99 4410.71,1781.28
  Bottom Layer w40: U9.6@794.02,2477.09 U9.6@794.02,2448.31 U9.3@1166.06,2448.31 ; C17.2@1095,3200 1097.83,3202.83 v1(1245,3202.83)
  Bottom Layer w50: v1(660,2140) 660,2314.29 U9.6@794.02,2448.31 ; U9.6@794.02,2477.09 869.57,2552.64 869.57,3115.28 784.84,3200 C16.2@745,3200 799.53,3254.53 C15.1@885,3254.53 R33.1@960,3254.53 1040.47,3254.53 C17.2@1095,3200 ; v1(2045,50) P6.2@2045,195 ; v1(2345,50) P6.5@2345,230
  Bottom Layer w80: v2(1405,2150) C31.2@1535,2280
  Bottom Layer w150: 1370,400 1370,1855 1370,2150
  other v1: 2205,2140 3165,2965
LDO_SHDN: R73.1 R74.1 U9.1 | length 422.2
  Top Layer w30: R73.1@1404.57,2630 1370,2595.43 1370,2582.17 1508.27,2582.17 R74.1@1535,2555.43
  Bottom Layer w30: U9.1@1166.06,2582.17 v1(1350,2582.17)
MCLK_IN: C1.2 U1.2 XT1.1 XT3.4 | length 866.9
  Top Layer w20: U1.2@2783.98,2109.57 2783.98,2036.02 2805,2015 ; v1(2835,2015) 2805,2015 ; XT1.1@3237.64,1790 3157.64,1870 2950,1870 2805,2015
  Bottom Layer w20: v1(2835,2015) 2927.68,2107.68 XT3.4@2933.46,2107.68 ; C1.2@3235.43,1720 3237.64,1722.2 XT1.1@3237.64,1790
MCLK_OUT: C2.2 U1.3 XT1.2 | length 550.7
  Top Layer w20: U1.3@2733.98,2109.57 2733.98,2043.59 2987.57,1790 XT1.2@3042.36,1790
  Bottom Layer w20: XT1.2@3042.36,1790 3042.36,1723.07 C2.2@3045.43,1720
MISO: R25.1 R100.1 R103.1 R104.1 R106.1 U4.13 | length 2885.7
  Top Layer w10: U4.13@2894.71,3157.16 3199.13,3157.16 3491.29,2865 v1(3610,2865) ; v1(3535,1505) R104.1@3535,1551.4 ; R104.1@3537.37,1553.77 3531.23,1553.77 3490,1595 3490,1740 3525,1775 3525,2127.28 R103.1@3582.37,2184.64 3582.37,2267.63 v1(3580,2270) ; R106.1@3702.37,1553.77 3702.37,1502.63 v1(3705,1500) ; R100.1@3757.37,2184.64 3757.37,2267.37 v1(3760,2270)
  Bottom Layer w10: v1(3065,3157.16) R25.1@3065,3204.56 ; v1(3535,1505) 3535,1500 v1(3705,1500) ; v1(3580,2270) v1(3760,2270) 3720,2310 3720,2795 3650,2865 v1(3610,2865)
MISO_ADC: R40.2 U1.21 U14.9 | length 1557.8
  Top Layer w10: U1.21@2683.98,1747.36 2683.98,1481.02 2705,1460 3569.3,1460 3594.65,1485.35 v1(3594.65,1669.2) ; v1@3597.37,1669.21 3597.37,1689.21 3622.37,1714.21 3637.37,1714.21 3651.72,1728.56 3651.72,1758.87 U14.9@3651.18,1759.41 U14.9@3651.18,1748.02
  Bottom Layer w10: R40.2@3594.65,1624.64 v1(3594.65,1669.2)
MISO_FLASH_A: R39.2 U3_FLASH2.8 U14.5 | length 932.8
  Top Layer w10: U14.5@3676.77,1979.88 3676.77,2013.96 3647.37,2043.37 v1(3647.37,2070.08) 3647.37,2525 3662.37,2540 3855,2540 3900,2495 U3_FLASH2.8@3953.5,2495
  Bottom Layer w20: R39.2@3647.37,2113.77 R39.2@3647.37,2114.64
  Bottom Layer w30: v1(3647.37,2070.08) R39.2@3647.37,2113.77
MISO_FLASH_B: R38.2 U3_FLASH1.8 U14.2 | length 1243.1
  Top Layer w10: U14.2@3753.54,1979.88 3753.54,2011.27 3767.36,2025.08 3782.36,2025.08 3812.37,2055.09 v1(3812.37,2069.21) 3812.37,2262.37 3860,2310 4056.18,2310 4090.59,2344.41 4090.59,2749.41 4035.59,2804.41 U3_FLASH1.8@3950.59,2804.41
  Bottom Layer w10: R38.2@3807.36,2114.65 R38.2@3812.37,2109.64
  Bottom Layer w30: v1(3812.37,2069.21) R38.2@3812.37,2109.64
MISO_FRAM: R41.2 R97.1 U14.12 | length 1038.9
  Top Layer w10: U14.12@3727.95,1759.41 3727.95,1725.33 3757.36,1695.92 v1(3757.36,1669.21)
  Bottom Layer w10: v1(3757.36,1669.21) 3757.36,1712.36 3835,1790 3900,1790 3914,1804 3914,2194 3940,2220 4125,2220 R97.1@4155,2190
  Bottom Layer w20: R41.2@3757.36,1624.65 v1(3757.36,1669.21)
MOSI: R24.1 R99.1 R102.1 R107.1 R109.1 U4.12 | length 5322.4
  Top Layer w10: U4.12@2894.71,3125.66 v1(3130,3125.66) 3202.34,3125.66 3440,2888 3440,2845 3465,2820 v1(3550,2820) 3566.18,2803.82 R107.1@3607.24,2803.82 ; R99.1@2910.43,1515 2975,1515 v1(2980,1520) ; v1(3600,2940) 4155,2940 4510,2585 4510,1805 4445,1740 4445,1600 v1(4395,1550) ; v1(3610,2565) 3611.93,2563.07 R102.1@3611.93,2499.41 ; v1(4275,1550) R109.1@4275,1618.7
  Bottom Layer w10: v1(2980,1520) 3315,1520 3530,1305 4030,1305 v1(4275,1550) v1(4395,1550) ; v1(3130,3125.66) R24.1@3130,3204.56 ; v1(3600,2940) 3550,2890 v1(3550,2820) 3610,2760 v1(3610,2565)
NetC8_2: C8.2 U4.23 XT2.1 | length 430.3
  Top Layer w15: U4.23@2640.78,3316.61 2640.78,3359.54 2677.22,3395.98 2677.22,3542.77 XT2.1@2722.71,3588.26 ; XT2.1@2714.83,3596.14 v1(2714.83,3665.43)
  Bottom Layer w15: C8.2@2709.83,3610 v1@2709.83,3665.43
NetC9_2: C9.2 U4.24 XT2.2 | length 273.8
  Top Layer w15: v1@2574.4,3469.99 v1(2574.83,3469.99) 2608.69,3469.99 XT2.2@2636.09,3442.59 2636.09,3390.21 2612.45,3366.56 2612.45,3319.78 U4.24@2609.28,3316.61
  Bottom Layer w15: v1(2574.83,3469.99) 2624.4,3469.99 C9.2@2634.4,3459.99
NetC23_FLASH1_2: C23_FLASH1.2 R45_FLASH1.2 U3_FLASH1.3 U3_FLASH1.5 U3_FLASH1.6 | length 387.2
  Top Layer w10: U3_FLASH1.6@3950,2703.82 U3_FLASH1.6@3950.59,2704.41 U3_FLASH1.5@3950.59,2654.41
  Top Layer w28: U3_FLASH1.3@3762.4,2704.41 3949.41,2704.41 U3_FLASH1.6@3950,2703.82
  Bottom Layer w28: R45_FLASH1.2@3857.68,2768.86 v1(3857.68,2703.82) 3878.11,2683.39 C23_FLASH1.2@3932.68,2683.39
NetC23_FLASH2_2: C23_FLASH2.2 R45_FLASH2.2 U3_FLASH2.3 U3_FLASH2.5 U3_FLASH2.6 | length 387.2
  Top Layer w10: U3_FLASH2.6@3952.91,2394.41 U3_FLASH2.6@3953.5,2395 U3_FLASH2.5@3953.5,2345
  Top Layer w28: U3_FLASH2.3@3765.31,2395 3952.32,2395 U3_FLASH2.6@3952.91,2394.41
  Bottom Layer w28: R45_FLASH2.2@3860.59,2459.45 v1(3860.59,2394.41) 3881.02,2373.98 C23_FLASH2.2@3935.59,2373.98
NetC24_2: C24.2 R42.2 U6.1 U6.2 | length 337.5
  Top Layer w10: v1(2130,1480) v1(2130,1480)
  Top Layer w12: R42.2@2129.96,1410 2134.96,1405 2160.55,1379.41 U6.2@2205.55,1379.41
  Top Layer w15: R42.2@2129.96,1410 v1(2130,1480) ; R42.2@2134.96,1405 U6.1@2205.55,1405
  Bottom Layer w15: v1(2130,1480) 2174.96,1480 C24.2@2220,1434.96
NetC27_RTD_interface1_1: C27_RTD_interface1.1 R48_RTD_interface1.1 R49_RTD_interface1.2 U8_RTD_interface1.2 | length 297.3
  Top Layer w12: v1(2195.44,615) 2212.11,615 2222.11,625 U8_RTD_interface1.2@2222.11,708.46
  Bottom Layer w12: C27_RTD_interface1.1@2190.01,679.56 R49_RTD_interface1.2@2240,679.57 ; v1(2195.44,615) 2240.01,659.56 R49_RTD_interface1.2@2240,679.57 ; R48_RTD_interface1.1@2290,679.57 R49_RTD_interface1.2@2240,679.57
NetC27_RTD_interface1_2: C27_RTD_interface1.2 R49_RTD_interface1.1 R54_RTD_interface1.2 U8_RTD_interface1.1 | length 297.9
  Top Layer w12: v1(2140,750) 2155.57,750 U8_RTD_interface1.1@2197.11,708.46
  Bottom Layer w12: C27_RTD_interface1.2@2190.01,750.43 R49_RTD_interface1.1@2240,750.43
  Bottom Layer w20: R54_RTD_interface1.2@2109.57,810 2109.57,780.43 v1(2140,750) ; 2170,749.57 2169.57,750 ; C27_RTD_interface1.2@2182.25,757.32 C27_RTD_interface1.2@2182.25,750.43 ; C27_RTD_interface1.2@2190.01,750.43 C27_RTD_interface1.2@2182.25,750.43 ; v1(2140,750) 2140.43,750.43 2169.14,750.43 ; v1(2140,750) 2169.57,750 ; 2169.14,750.43 2169.57,750 ; 2169.14,750.43 C27_RTD_interface1.2@2182.25,750.43 ; 2169.57,750 2182.25,750 C27_RTD_interface1.2@2182.25,750.43
NetC27_RTD_interface2_1: C27_RTD_interface2.1 R48_RTD_interface2.1 R49_RTD_interface2.2 U8_RTD_interface2.2 | length 297.3
  Top Layer w12: v1(2950.44,615) 2967.11,615 2977.11,625 U8_RTD_interface2.2@2977.11,708.46
  Bottom Layer w12: C27_RTD_interface2.1@2945.01,679.56 R49_RTD_interface2.2@2995.01,679.56 ; v1(2950.44,615) 2995.01,659.56 R49_RTD_interface2.2@2995.01,679.56 ; R48_RTD_interface2.1@3045.01,679.56 R49_RTD_interface2.2@2995.01,679.56
NetC27_RTD_interface2_2: C27_RTD_interface2.2 R49_RTD_interface2.1 R54_RTD_interface2.2 U8_RTD_interface2.1 | length 297.9
  Top Layer w12: v1(2895,750) 2910.57,750 U8_RTD_interface2.1@2952.11,708.46
  Bottom Layer w12: C27_RTD_interface2.2@2945.01,750.43 R49_RTD_interface2.1@2995.01,750.43
  Bottom Layer w20: R54_RTD_interface2.2@2864.57,810 2864.57,780.43 v1(2895,750) ; 2925,749.57 2924.57,750 ; C27_RTD_interface2.2@2937.25,757.32 C27_RTD_interface2.2@2937.25,750.43 ; C27_RTD_interface2.2@2945.01,750.43 C27_RTD_interface2.2@2937.25,750.43 ; v1(2895,750) 2895.43,750.43 2924.14,750.43 ; v1(2895,750) 2924.57,750 ; 2924.14,750.43 2924.57,750 ; 2924.14,750.43 C27_RTD_interface2.2@2937.25,750.43 ; 2924.57,750 2937.25,750 C27_RTD_interface2.2@2937.25,750.43
NetC28_RTD_interface1_1: C28_RTD_interface1.1 R50_RTD_interface1.1 R51_RTD_interface1.2 U8_RTD_interface1.11 | length 299.6
  Top Layer w12: R51_RTD_interface1.2@2240,1070.43 2311.86,1070.43 2319.57,1062.72 ; C28_RTD_interface1.1@2319.57,1095 2319.57,1062.72 ; U8_RTD_interface1.11@2322.11,891.53 2322.11,961.85 2337,976.74 2337,1027.56 R50_RTD_interface1.1@2319.57,1045 2319.57,1062.72
NetC28_RTD_interface1_2: C28_RTD_interface1.2 R50_RTD_interface1.2 R52_RTD_interface1.2 U8_RTD_interface1.10 | length 279.4
  Top Layer w12: U8_RTD_interface1.10@2347.11,891.53 2347.11,952.1 2385,990 2385,1089.57 C28_RTD_interface1.2@2390.43,1095 ; R50_RTD_interface1.2@2390.43,1045 2410.87,1024.57 R52_RTD_interface1.2@2440,1024.57
NetC28_RTD_interface2_1: C28_RTD_interface2.1 R50_RTD_interface2.1 R51_RTD_interface2.2 U8_RTD_interface2.11 | length 299.6
  Top Layer w12: R51_RTD_interface2.2@2995,1070.43 3066.86,1070.43 3074.57,1062.72 ; C28_RTD_interface2.1@3074.57,1095 3074.57,1062.72 ; U8_RTD_interface2.11@3077.11,891.53 3077.11,961.85 3092,976.74 3092,1027.56 R50_RTD_interface2.1@3074.57,1045 3074.57,1062.72
NetC28_RTD_interface2_2: C28_RTD_interface2.2 R50_RTD_interface2.2 R52_RTD_interface2.2 U8_RTD_interface2.10 | length 279.4
  Top Layer w12: U8_RTD_interface2.10@3102.11,891.53 3102.11,952.1 3140,990 3140,1089.57 C28_RTD_interface2.2@3145.44,1095 ; R50_RTD_interface2.2@3145.44,1045 3165.87,1024.57 R52_RTD_interface2.2@3195,1024.57
NetC29_RTD_interface1_2: C29_RTD_interface1.2 R52_RTD_interface1.1 R53_RTD_interface1.2 | length 103.9
  Top Layer w12: C29_RTD_interface1.2@2390.44,1150 2439.57,1150 R53_RTD_interface1.2@2440,1149.57 R52_RTD_interface1.1@2440,1095.43
NetC29_RTD_interface2_2: C29_RTD_interface2.2 R52_RTD_interface2.1 R53_RTD_interface2.2 | length 103.9
  Top Layer w12: C29_RTD_interface2.2@3145.44,1150 3194.57,1150 R53_RTD_interface2.2@3195,1149.57 R52_RTD_interface2.1@3195,1095.43
NetC32_1: C32.1 R75.2 U2_Current_Limit_CH0.1 U2_Current_Limit_CH1.1 U2_Current_Limit_CH2.1 U2_Current_Limit_CH3.1 U9.4 | length 3213
  Top Layer w30: v2(960,300.16) 1040,300.16 U2_Current_Limit_CH0.1@1080,340.16 1050,370.16 v2(1005,370.16) ; v2@965,850.16 1045,850.16 U2_Current_Limit_CH1.1@1085,890.16 1055,920.16 v2(1010,920.16) ; v2(965,1400.16) 1045,1400.16 U2_Current_Limit_CH2.1@1085,1440.16 1055,1470.16 v2(1010,1470.16) ; v2@965,1955 1045,1955 U2_Current_Limit_CH3.1@1085,1995 1055,2025 v2(1010,2025)
  Bottom Layer w30: U9.4@1166.06,2381.38 R75.2@1287.36,2381.38
  Bottom Layer w43: 1040,2195 1040,2323.88 1097.49,2381.38 U9.4@1166.06,2381.38
  Bottom Layer w150: v2@980,290 980,370.16 980,1400.16 980,2115 1045,2180
  other v2: 965,855.16 965,1955.16
NetC33_2: C33.2 R75.1 R77.1 U9.5 | length 247.4
  Bottom Layer w30: U9.5@1166.06,2314.45 R75.1@1283.42,2314.45 ; R75.1@1290,2307.87 C33.2@1360,2307.87 R77.1@1420,2307.87
NetC34_2: C34.2 R78.2 R79.1 | length 126.4
  Bottom Layer w20: R78.2@1773.31,1320 1806.44,1320 ; C34.2@1805,1260.43 1805,1318.56 1806.44,1320 ; R79.1@1839.57,1320 1806.44,1320
NetC35_2: C35.2 P12.2 U15.3 | length 216.1
  Top Layer w15: U15.3@2187.94,3655.68 2238.85,3706.59 2276.37,3706.59 2299.78,3730 2349.65,3730 P12.2@2366.37,3713.28
NetC36_RTD_interface1_2: C36_RTD_interface1.2 R76_RTD_interface1.1 U7_RTD_interface1.14 | length 203.9
  Top Layer w12: v1(1990,900) 1996.57,893.43 U7_RTD_interface1.14@1996.57,809.69
  Bottom Layer w20: v1(1990,900) 2040.43,849.57 C36_RTD_interface1.2@2040.43,810
NetC36_RTD_interface2_2: C36_RTD_interface2.2 R76_RTD_interface2.1 U7_RTD_interface2.14 | length 203.9
  Top Layer w12: v1(2745,900) 2751.57,893.43 U7_RTD_interface2.14@2751.57,809.69
  Bottom Layer w20: v1(2745,900) 2795.43,849.57 C36_RTD_interface2.2@2795.43,810
NetC37_RTD_interface1_2: C37_RTD_interface1.2 R111_RTD_interface1.1 U8_RTD_interface1.4 | length 402.4
  Top Layer w12: U8_RTD_interface1.4@2272.11,708.46 2272.11,632.89 2290,615 v1(2285,615)
  Bottom Layer w12: v1(2285,615) 2295.01,615 2340,660 2340,674.57 C37_RTD_interface1.2@2345,679.57 2345,535.05 2345.04,535 R111_RTD_interface1.1@2305,494.96
NetC37_RTD_interface2_2: C37_RTD_interface2.2 R111_RTD_interface2.1 U8_RTD_interface2.4 | length 402.4
  Top Layer w12: U8_RTD_interface2.4@3027.11,708.46 3027.11,632.89 3045,615 v1(3040,615)
  Bottom Layer w12: v1(3040,615) 3050.01,615 3095,660 C37_RTD_interface2.2@3095,679.57 3100.04,674.53 3100.04,535 R111_RTD_interface2.1@3060,494.96